# Altium PCB [01]-Robot.PcbDoc (part 2 of 2)
Units mm, origin at the board's own origin, x right, y up, seen from the top; angles counter-clockwise.
Board outline 107 x 100 mm, 2 copper layers (Top Layer, Bottom Layer), stack 1.57 mm thick; 156 components, 123 nets, 574 pads, 292 vias.
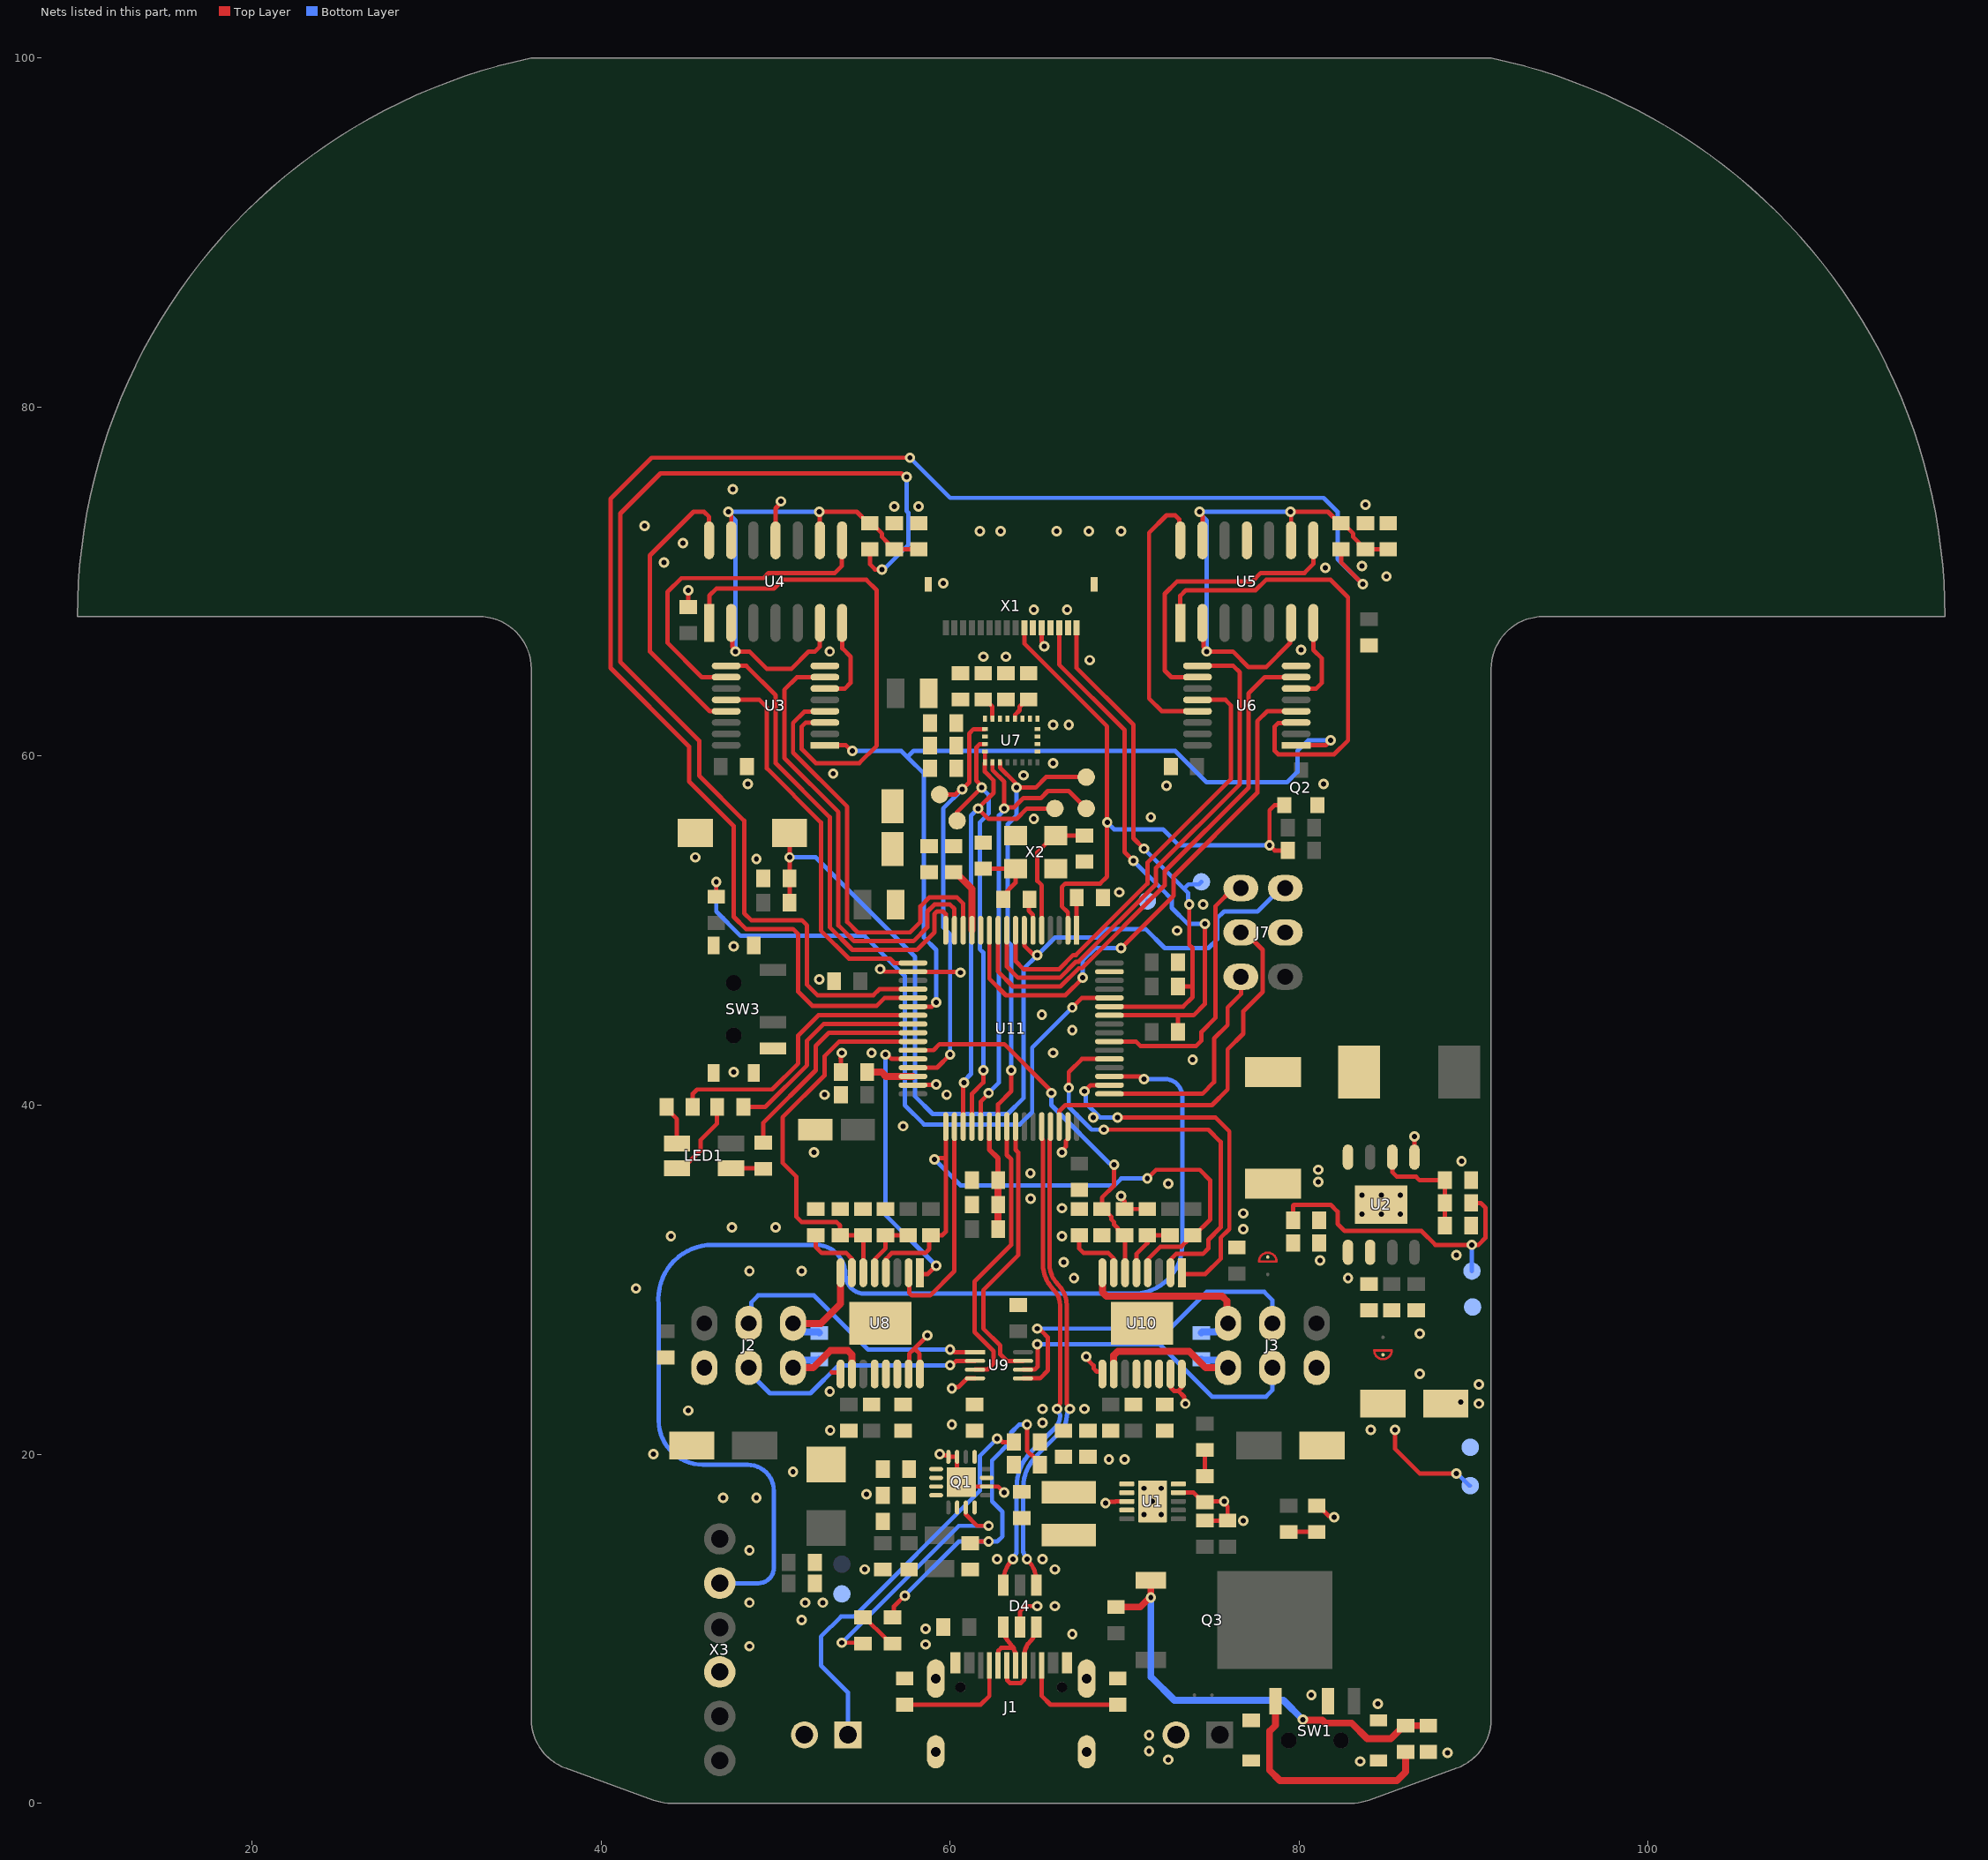
[diagram p2: the nets of this part, all layers, seen from the top]

## Via types
v1: diameter 0.6, hole 0.3, Top Layer to Bottom Layer, tented both sides, 291 vias
v2: diameter 0.6, hole 0.3, Top Layer to Bottom Layer, 1 vias

## Nets (pads, with @x,y where several pads share a name; then routed paths per layer and width w, separated by ;. In a path a pad name is that pad's centre, name@x,y a point inside that pad or via, vN(x,y) a via of type N, cw(c..) or ccw(c..) an arc to the next point about the centre after c; other vN are vias at no path point) (continued)
BT_TX: U11.51 X3.5 | length 72.2
  Top Layer w0.25: U11.51@69.125,41.65 70.855,41.65 71.005,41.5 v1(71.1,41.5)
  Bottom Layer w0.25: X3.5@46.8,12.61 49.01,12.61 ccw(c49.01,13.5) 49.9,13.5 49.9,17.9 ccw(c48.4,17.9) 48.4,19.4 45.84,19.4 cw(c45.84,21.94) 43.3,21.94 43.3,28.56 ccw(c43.05,28.56) 43.299,28.584 cw(c46.394,28.89) 46.394,32 52.3,32 cw(c52.3,30.3) 54,30.3 ccw(c55.1,30.3) 55.1,29.2 70.5,29.2 ccw(c70.5,32) 73.3,32 73.3,40.5 ccw(c72.3,40.5) 72.3,41.5 v1(71.1,41.5)
DAC1_OUT: C25.2 R15.2 R17.2 U4.2 U4.6 U4.9 U4.13 | length 32.4
  Top Layer w0.25: v1(47.3,74) 47.3,73.905 47.46,73.745 U4.13@47.46,72.366 ; U4.2@47.46,67.634 47.524,67.57 47.524,66.271 47.7,66.095 v1(47.7,66) 48.5,66 49.5,65 50.9,65 51.9,66 52.264,66 52.54,66.276 U4.6@52.54,67.634 ; U4.9@52.54,72.366 52.54,73.96 v1(52.5,74) 54.65,74 55.3,73.35 R15.2@55.4,73.35 55.5,73.35 56.1,72.75 56.1,72.55 56.425,72.225 56.425,72.125 56.7,71.85 C25.2@56.8,71.85 R17.2@58.2,71.85
  Bottom Layer w0.25: v1(47.7,66) 47.7,73.505 47.3,73.905 v1(47.3,74) v1(52.5,74)
DAC1_STH: R15.1 U11.20 | length 64.7
  Top Layer w0.25: R15.1@55.4,71.85 55.4,71 55.7,70.7 v1(56.1,70.7) ; v1(57.5,76) 57.405,76 57.205,76.2 43.4,76.2 41.1,73.9 41.1,65.4 45.625,60.875 45.625,58.875 48.2,56.3 48.2,51 48.6,50.6 51.5,50.6 51.8,50.3 51.8,46.9 52.396,46.304 55.604,46.304 55.95,46.65 U11.20@57.875,46.65
  Bottom Layer w0.25: v1(56.1,70.7) 56.2,70.7 57.6,72.1 57.6,73.953 57.5,74.053 v1(57.5,76)
DAC2_OUT: C26.2 R16.2 R18.2 U5.2 U5.6 U5.9 U5.13 | length 32.1
  Top Layer w0.25: v1(74.3,74) 74.3,73.905 74.46,73.745 U5.13@74.46,72.366 ; U5.2@74.46,67.634 74.524,67.57 74.524,66.271 74.7,66.095 v1(74.7,66) 76.2,66 77.1,65.1 78.1,65.1 79.476,66.476 79.476,67.57 U5.6@79.54,67.634 ; U5.9@79.54,72.366 79.54,73.96 v1(79.5,74) 81.65,74 82.3,73.35 R16.2@82.4,73.35 82.5,73.35 83.1,72.75 83.1,72.55 83.425,72.225 83.425,72.125 83.7,71.85 R18.2@83.8,71.85 C26.2@85.1,71.85 C26.2@85.2,71.85
  Bottom Layer w0.25: v1(74.7,66) 74.7,73.505 74.3,73.905 v1(74.3,74) v1(79.5,74)
DAC2_STH: R16.1 U11.21 | length 92.6
  Top Layer w0.25: v1(57.7,77.1) 42.9,77.1 40.548,74.748 40.548,65.052 45.05,60.55 45.05,58.55 47.6,56 47.6,50.8 48.3,50.1 51,50.1 51.3,49.8 51.3,46.5 52.1,45.7 55.8,45.7 56.25,46.15 U11.21@57.875,46.15 ; R16.1@82.4,71.85 82.4,71.1 v1(83.65,69.85)
  Bottom Layer w0.25: v1(57.7,77.1) 60,74.8 81.4,74.8 82.2,74 82.2,71.3 v1(83.65,69.85)
DIR_M1: U8.2 U11.34 | length 12.6
  Top Layer w0.25: U8.2@57.625,30.325 57.65,30.3 57.65,29.25 57.8,29.1 58.854,29.1 60.25,30.496 U11.34@60.25,38.775
DIR_M2: U10.2 U11.53 | length 23.8
  Top Layer w0.25: v1(66.8,41) 66.8,41.9 67.55,42.65 U11.53@69.125,42.65 ; v1(68.8,38.6) 74.8,38.6 75.5,37.9 75.5,33 74.796,32.296 74.796,31.796 74.48,31.48 72.946,31.48 72.663,31.197 72.663,30.364 U10.2@72.625,30.325
  Bottom Layer w0.25: v1(66.8,41) 66.8,39.9 68.1,38.6 v1(68.8,38.6)
DOUT1: U3.3 U4.1 | length 28.5
  Top Layer w0.25: U4.1@46.19,67.634 46.2,67.644 46.2,69.2 46.6,69.6 49.9,69.6 50.4,70.1 55.2,70.1 55.8,69.5 55.8,60.6 54.8,59.6 52.3,59.6 51.5,60.4 51.5,61.7 51.725,61.925 U3.3@52.825,61.925
DOUT2: U3.6 U4.7 | length 5.2
  Top Layer w0.25: U3.6@52.825,63.875 53.975,63.875 54.3,64.2 54.3,65.7 53.828,66.172 53.828,67.616 U4.7@53.81,67.634
DOUT3: U3.10 U4.8 | length 19.2
  Top Layer w0.25: U3.10@47.175,64.525 45.775,64.525 43.8,66.5 43.8,69.4 44.6,70.2 49.3,70.2 49.6,70.5 53.4,70.5 53.8,70.9 53.8,72.356 U4.8@53.81,72.366
DOUT4: U3.13 U4.14 | length 17.2
  Top Layer w0.25: U4.14@46.19,72.366 46.19,73.71 45.9,74 45.3,74 42.8,71.5 42.8,66 46.225,62.575 U3.13@47.175,62.575
DOUT5: U5.1 U6.3 | length 27.5
  Top Layer w0.25: U5.1@73.19,67.634 73.19,69.19 73.5,69.5 77.5,69.5 78.1,70.1 81.8,70.1 82.8,69.1 82.8,60.9 82.004,60.104 78.796,60.104 78.6,60.3 78.6,61.7 78.8,61.9 79.8,61.9 U6.3@79.825,61.925
DOUT6: U5.7 U6.6 | length 5.2
  Top Layer w0.25: U6.6@79.825,63.875 80.975,63.875 81.3,64.2 81.3,65.6 80.81,66.09 U5.7@80.81,67.634
DOUT7: U5.8 U6.10 | length 17
  Top Layer w0.25: U6.10@74.175,64.525 72.675,64.525 72.3,64.9 72.3,69.3 73,70 77.3,70 77.8,70.5 80.3,70.5 80.81,71.01 U5.8@80.81,72.366
DOUT8: U5.14 U6.13 | length 16
  Top Layer w0.25: U5.14@73.19,72.366 73.126,72.43 73.126,73.574 72.9,73.8 72.4,73.8 71.4,72.8 71.4,63.3 72.125,62.575 U6.13@74.175,62.575
EN_M1: U8.1 U11.28 | length 16.1
  Top Layer w0.25: v1(56.3,42.9) 56.395,42.9 56.645,42.65 U11.28@57.875,42.65 ; U8.1@58.275,30.325 58.725,30.325 v1(59.2,30.8)
  Bottom Layer w0.25: v1(56.3,42.9) 56.3,33.7 v1(59.2,30.8)
EN_M2: U10.1 U11.50 | length 21.3
  Top Layer w0.25: v1(67.7,40.8) 68.05,41.15 U11.50@69.125,41.15 ; v1(69.6,39.3) 75.2,39.3 76,38.5 76,32.9 75.5,32.4 75.5,31.2 74.625,30.325 U10.1@73.275,30.325
  Bottom Layer w0.25: v1(67.7,40.8) 67.767,40.733 67.767,40.133 68.6,39.3 v1(69.6,39.3)
  other v1: 68.2,39.3
GND: C1.2 C2.1 C3.1 C4.1 C5.1 C7.1 C8.1 C9.1 C10.1 C12.1 C13.1 C15.1 C16.1 C17.1 C18.1 C19.1 C20.1 C21.1 C22.1 C23.1 C24.1 C25.1 C26.1 C27.1 C28.1 C29.1 C30.1 C31.1 C32.1 C33.1 C35.2 C36.1 C37.1 C40.1 C42.2 C43.1 C44.1 C47.1 C48.1 C49.1 C50.2 C51.1 C52.1 C53.1 C54.1 C55.2 C56.1 C57.1 C58.1 C59.1 C60.1 C61.1 C62.1 C63.1 D4.2 J1.A1B12 J1.B1A12 J1.SH J2.6 J3.2 J5.2 J6.2 J7.3 Q1.6 Q1.11 Q1.12 Q1.17 Q2.2 R1.1 R3.1 R4.1 R5.1 R6.1 R7.1 R10.1 R11.1 R12.1 R17.1 R18.1 R24.1 R27.1 R28.1 R32.1 R33.1 R34.1 R39.1 SW1.2 SW1.4 SW1.5 SW1.6 SW1.7 SW2.2 SW3.3 SW3.4 SW3.5 SW3.6 SW3.7 TP4.1 TP5.1 TP13.1 U1.3 U1.9 U1.11 U2.1 U2.5 U2.9 U3.8 U4.11 U5.11 U6.8 U7.14 U7.15 U7.16 U7.17 U7.18 U7.19 U7.20 U8.9 U8.15 U8.16 U8.17 U9.4 U10.9 U10.15 U10.16 U10.17 U11.12 U11.18 U11.31 U11.47 U11.63 X1.2 X1.4 X1.5 X1.6 X1.17 X1.18 X2.2 X2.4 X3.3 | length 42.9
  Top Layer w0.25: C21.1@45,68.55 v1(45,69.5) ; U4.11@50,72.366 50,74.205 50.3,74.505 v1(50.3,74.6) ; 53.2,24.7 53.225,24.675 U8.9@53.725,24.675 ; C59.1@53.75,41.9 53.75,42.65 53.704,42.696 53.733,42.726 53.733,42.933 v1(53.8,43) ; v1(56,47.8) 56.095,47.8 56.245,47.65 U11.18@57.875,47.65 57.884,47.64 60.56,47.64 v1(60.6,47.6) ; U8.15@57.625,24.675 57.65,24.7 57.65,25.75 57.95,26.05 ; U11.31@57.875,41.15 57.884,41.16 59.16,41.16 v1(59.2,41.2) ; U8.16@58.275,24.675 58.25,24.7 58.25,25.75 57.95,26.05 ; v1(58.7,26.8) 57.95,26.05 ; v1(59.4,20) 59.467,19.933 59.9,19.933 Q1.12@59.9,19.85 Q1.11@60.4,19.85 60.4,18.65 Q1.17@60.65,18.4 60.9,18.15 Q1.6@62.1,18.15 62.75,18.15 v1(63.1,17.8) ; v1(60.1,23.775) 60.167,23.842 60.468,23.842 60.976,24.35 U9.4@61.424,24.35 ; D4.2@64,10.1 64,11 64.3,11.3 v1(65,11.3) ; X1.5@65.25,67.355 65.25,66.545 65.4,66.395 v1(65.4,66.3) ; v1(66.4,37.3) 66.4,37.395 66.628,37.623 66.628,37.951 66.75,38.072 U11.47@66.75,38.775 ; v1(67.8,25.6) 67.8,25.505 68.221,25.085 68.221,24.919 68.401,24.738 68.665,24.738 68.725,24.678 U10.9@68.725,24.675 ; v1(68.9,17.2) 68.967,17.267 69.467,17.267 69.5,17.3 U1.3@70.125,17.3 ; v1(69.8,34.8) 69.8,34.705 70,34.505 R34.1@70,34.05 R33.1@71.3,34.05 ; U10.15@72.625,24.675 72.65,24.65 72.65,23.806 72.828,23.628 73.072,23.628 ; U1.9@73.075,17.8 73.95,17.8 74.5,17.25 R1.1@74.6,17.25 74.65,17.3 v1(75.7,17.3) 75.7,17.205 75.9,17.005 C3.1@75.9,16.2 C2.1@74.6,16.2 ; U10.16@73.275,24.675 73.25,24.65 73.25,23.806 73.072,23.628 ; v1(73.475,22.9) 73.408,22.967 73.408,23.292 73.072,23.628 ; R3.1@81,17.05 81.1,17.05 81.683,16.467 81.933,16.467 v1(82,16.4) ; v1(86.6,38.2) 86.602,38.198 86.602,37.028 U2.5@86.605,37.025
  other v1: 83.5,2.4 72.5,2.5 88.5,2.9 71.4,3 71.4,3.9 84.5,5.7 80.7,6.2 48.5,9 58.6,9.1 67,9.7 58.6,10 51.5,10.5 66,11.3 48.5,11.5 51.7,11.5 52.7,11.5 55.1,13.4 66,13.4 62.7,14 65.3,14 48.5,14.5 76.8,16.2 71.1,16.55 72.1,16.55 71.6,17.3 47,17.5 48.9,17.5 55.2,17.7 71.1,18.05 72.1,18.05 51,19 43,20 53.125,21.375 60.1,21.7 65.3,21.8 45,22.5 65.3,22.6 67.7,22.6 90.3,22.9 89.25,23 53.1,23.6 90.3,24 86.9,24.6 86.9,26.9 42,29.5 67.1,30.1 82.8,30.1 48.5,30.5 51.5,30.5 66.5,31 81.2,31.1 89,31.4 44,32.5 66.4,32.5 76.8,32.9 47.5,33 50,33 83.6,33.75 84.7,33.75 85.8,33.75 76.8,33.8 66.4,34.1 64.614,34.644 83.6,34.85 84.7,34.85 85.8,34.85 72.5,35.5 81.1,35.6 64.6,36.1 81.1,36.3 89.3,36.8 52.2,37.3 57.3,38.8 52.8,40.6 59.8,40.6 47.6,41.9 73.9,42.6 55.5,43 65.9,43 67,44.3 65.258,45.176 52.5,47.2 47.6,49.1 73,50 74.5,51.5 69.7,52.2 48.9,54.1 45.4,54.2 64.8,56.4 71.5,56.5 72.4,58.3 48.4,58.4 81.4,58.4 64.2,58.9 53.3,59 65.9,59.6 65.9,61.8 66.8,61.8 68,65.5 61.9,65.7 63.2,65.7 53.1,66 80.1,66.1 64.8,68.4 66.7,68.4 59.6,69.9 85,70.3 81.5,70.8 83.6,70.9 43.6,71.1 44.7,72.2 61.7,72.9 62.9,72.9 66.1,72.9 67.95,72.9 69.8,72.9 42.5,73.2 56.8,74.3 58.2,74.3 83.8,74.4 47.542,75.293
LED_B: R43.1 U11.25 | length 12.7
  Top Layer w0.25: R43.1@49.3,37.85 49.3,39 52.3,42 52.3,43.4 53.05,44.15 U11.25@57.875,44.15
LED_G: R45.1 U11.24 | length 12.5
  Top Layer w0.25: R45.1@48.15,39.9 49.4,39.9 51.8,42.3 51.8,43.7 52.75,44.65 U11.24@57.875,44.65
LED_ON: Q2.1 R13.1 U11.2 X1.7 | length 36
  Top Layer w0.25: X1.7@64.25,67.355 64.25,66.45 68.996,61.704 68.996,53.096 68.6,52.7 66.6,52.7 66.4,52.5 66.4,51.4 66.75,51.05 U11.2@66.75,50.026 ; Q2.1@78.885,56.935 Q2.1@79.15,57.2 78.6,57.2 78.3,56.9 v1(78.3,54.9) 78.6,54.6 R13.1@79.35,54.6
  Bottom Layer w0.25: v1(69,56.2) 69.4,55.8 72.2,55.8 73.1,54.9 v1(78.3,54.9)
LED_R: R44.1 U11.23 | length 16.2
  Top Layer w0.25: R44.1@45.25,39.9 45.25,40.65 45.5,40.9 49.8,40.9 51.3,42.4 51.3,44 52.45,45.15 U11.23@57.875,45.15
M1_ADCI: C61.2 R28.2 U8.6 U11.26 | length 22.7
  Top Layer w0.25: U8.6@55.025,30.325 55.025,32.525 R28.2@55,32.55 C61.2@53.7,32.55 53.7,33.1 53.5,33.3 51.5,33.3 51.2,33.6 51.2,35.9 50.4,36.7 50.4,39.3 52.8,41.7 52.8,42.8 53.65,43.65 U11.26@57.875,43.65
M1_EA: J2.3 U9.1 | length 15.6
  Top Layer w0.25: v1(60,26) 60.095,26 60.245,25.85 U9.1@61.424,25.85
  Bottom Layer w0.25: J2.3@48.46,27.5 48.6,27.64 48.6,28.7 49,29.1 52.2,29.1 55.3,26 v1(60,26)
M1_EB: J2.4 U9.2 | length 14.5
  Top Layer w0.25: v1(60,25.1) 60.095,25.1 60.345,25.35 U9.2@61.424,25.35
  Bottom Layer w0.25: J2.4@48.46,24.96 48.46,24.71 49.67,23.5 52,23.5 53.6,25.1 v1(60,25.1)
M1_ENC: U9.3 U11.40 | length 16.2
  Top Layer w0.25: U9.3@61.424,24.85 61.431,24.857 62.157,24.857 62.5,25.2 62.5,25.9 61.4,27 61.4,29.9 63.5,32 63.5,36.9 63.25,37.15 U11.40@63.25,38.775
M1_OUT1: C38.2 J2.1 U8.8 | length 6.6
  Top Layer w0.4: J2.1@51,27.5 52.6,27.5 53.725,28.625 U8.8@53.725,30.325
  Bottom Layer w0.4: J2.1@51,27.5 51.46,27.04 51.66,27.04 51.7,27 52.45,27 C38.2@52.5,26.95
M1_OUT2: C38.1 J2.2 U8.10 | length 6.6
  Top Layer w0.4: J2.2@51,24.96 52.16,24.96 53.143,25.943 54.141,25.943 54.375,25.709 U8.10@54.375,24.675
  Bottom Layer w0.4: J2.2@51,24.96 51.44,25.4 52.45,25.4 C38.1@52.5,25.45
M2_ADCI: C62.2 R34.2 U10.6 U11.27 | length 22.2
  Top Layer w0.25: U11.27@57.875,43.15 59.05,43.15 59.4,43.5 63.1,43.5 65.625,40.975 65.625,40.97 65.8,40.795 v1(65.8,40.7) ; v1(69.4,36.6) 69.4,35.4 68.7,34.7 C62.2@68.7,34.05 68.8,34.05 69.248,33.602 69.248,33.452 69.4,33.3 69.4,33.15 69.625,32.925 69.625,32.825 69.9,32.55 R34.2@70,32.55 70.025,32.525 U10.6@70.025,30.325
  Bottom Layer w0.25: v1(65.8,40.7) 65.8,40 69.133,36.667 69.333,36.667 v1(69.4,36.6)
M2_EA: J3.3 U9.5 | length 20.2
  Top Layer w0.25: U9.5@64.176,24.35 65.15,24.35 65.6,24.8 65.6,26.7 65.275,27.025 65.27,27.025 65.095,27.2 v1(65,27.2)
  Bottom Layer w0.25: v1(65,27.2) 72.6,27.2 74.7,29.3 78,29.3 78.46,28.84 J3.3@78.46,27.5
M2_EB: J3.4 U9.6 | length 18.3
  Top Layer w0.25: U9.6@64.176,24.85 64.183,24.857 64.854,24.857 65.008,25.011 65.008,26.292 v1(65,26.3)
  Bottom Layer w0.25: v1(65,26.3) 72,26.3 75,23.3 78.1,23.3 78.46,23.66 J3.4@78.46,24.96
M2_ENC: U9.7 U11.41 | length 15.8
  Top Layer w0.25: U11.41@63.75,38.775 63.75,37.45 63.9,37.3 63.9,31.4 61.9,29.4 61.9,27.2 62.877,26.223 62.877,25.723 63.25,25.35 U9.7@64.176,25.35
M2_OUT1: C45.2 J3.5 U10.8 | length 11.4
  Top Layer w0.4: U10.8@68.725,30.325 68.725,29.291 68.959,29.057 75.586,29.057 75.852,28.791 75.852,27.568 J3.5@75.92,27.5
  Bottom Layer w0.4: C45.2@74.4,26.95 74.45,27 75.2,27 75.24,27.04 75.46,27.04 J3.5@75.92,27.5
M2_OUT2: C45.1 J3.6 U10.10 | length 9.7
  Top Layer w0.4: U10.10@69.375,24.675 69.375,25.666 69.609,25.9 73.7,25.9 74.64,24.96 J3.6@75.92,24.96
  Bottom Layer w0.4: C45.1@74.4,25.45 74.45,25.4 75.48,25.4 J3.6@75.92,24.96
MISO: TP6.1 U7.5 U7.6 U11.35 | length 27.3
  Top Layer w0.25: U11.35@60.75,38.775 60.75,41.25 v1(60.8,41.3) ; U7.6@61.985,59.6 61.985,59.115 62.038,59.062 62.5,58.6 62.5,57.9 v1(61.6,57) 62.2,56.4 63.8,56.4 64.4,57 TP6.1@66,57 ; U7.6@61.995,59.65 U7.5@61.995,60.255
  Bottom Layer w0.25: v1(60.8,41.3) 60.8,41.395 61.2,41.795 61.2,56.6 v1(61.6,57)
MOSI: TP7.1 U7.4 U11.36 | length 25.7
  Top Layer w0.25: TP7.1@60.4,56.2 60.4,56.8 v1(61.8,58.2) 61.8,58.295 61.5,58.595 61.5,60.5 61.675,60.675 61.985,60.675 U7.4@61.995,60.685 ; U11.36@61.25,38.775 61.25,40.65 61.9,41.3 v1(61.9,42)
  Bottom Layer w0.25: v1(61.8,58.2) 61.8,58.179 62.2,57.779 62.2,56.7 61.7,56.2 61.7,48.947 61.9,48.747 v1(61.9,42)
MOTOR_FAULT: R21.1 R30.1 U8.4 U10.4 U11.33 | length 36.8
  Top Layer w0.25: U8.4@56.325,30.325 56.325,31.2 56.65,31.525 58.575,31.525 58.8,31.75 58.8,32.45 R21.1@58.9,32.55 59.554,32.55 59.75,32.746 59.75,37 ; v1(59.1,36.9) 59.167,36.967 59.717,36.967 59.75,37 ; U11.33@59.75,38.775 59.75,37 ; v1(71.3,35.8) 71.8,36.3 74.3,36.3 74.9,35.7 74.9,33.45 74,32.55 73.8,32.55 73.525,32.275 73.525,32.175 73.248,31.898 72.048,31.898 71.325,31.175 71.325,30.325 U10.4@71.35,30.35
  Bottom Layer w0.25: v1(59.1,36.9) 60.6,35.4 69.4,35.4 69.8,35.8 v1(71.3,35.8)
NetC9_2: C9.2 C10.2 C11.2 D2.1 R2.2 SB2.1 TP2.1 | length 17.6
  Top Layer w0.25: C10.2@79.65,33.4 79.65,34.25 79.7,34.3 81.8,34.3 82.2,33.9 82.2,33.2 82.6,32.8 87,32.8 87.8,32 v1(89.9,32) 90.275,32 90.675,32.4 90.675,34.125 90.4,34.4 R2.2@89.85,34.4
  Bottom Layer w0.25: TP2.1@89.9,30.5 v1(89.9,32)
NetC11_1: C11.1 R2.1 R4.2 U2.6 | length 6.7
  Top Layer w0.25: U2.6@85.335,37.025 85.345,37.015 85.345,36.155 85.6,35.9 86.7,35.9 86.9,35.7 C11.1@88.35,35.7 R2.1@88.35,34.4 R4.2@88.35,33.1
NetC14_2: C14.2 Q1.15
NetC20_2: C20.2 Q1.16
NetC27_2: C27.2 U7.24 | length 1.4
  Top Layer w0.25: C27.2@61.9,63.25 62,63.25 62.423,62.827 62.423,62.152 U7.24@62.425,62.15
NetC28_2: C28.2 U7.21 | length 1.5
  Top Layer w0.25: U7.21@63.715,62.15 63.715,62.366 63.977,62.628 63.977,62.827 64.4,63.25 C28.2@64.5,63.25
NetC29_2: C29.2 C30.2 C31.2 C32.2 C33.2 FB2.2 U7.1 U7.3 U7.22 U7.23
NetC34_1: C34.1 U8.14
NetC34_2: C34.2 U8.13
NetC39_1: C39.1 U8.12
NetC41_1: C41.1 U10.14
NetC41_2: C41.2 U10.13
NetC46_1: C46.1 U10.12
NetC48_2: C48.2 R41.1 X2.1 | length 3.6
  Top Layer w0.25: C48.2@62.1,53.55 X2.1@63.75,53.55 63.75,52.75 63,52 R41.1@63,51.9
NetC49_2: C49.2 U11.5 X2.3 | length 7.7
  Top Layer w0.25: U11.5@65.25,50.025 65.25,52.6 65,52.85 65,54.5 65.95,55.45 X2.3@66.05,55.45 C49.2@67.7,55.45
NetC55_1: C55.1 C56.2 C57.2 FB3.2 U11.13 | length 3.8
  Top Layer w0.4: C56.2@60.2,53.35 60.3,53.35 61.25,52.4 U11.13@61.25,50.025
NetC58_2: C58.2 U11.1 | length 1.9
  Top Layer w0.25: U11.1@67.25,50.025 C58.2@67.25,51.9
NetC59_2: C59.2 U11.30 | length 2.7
  Top Layer w0.4: C59.2@55.25,41.9 56.075,41.9 56.325,41.65 U11.30@57.875,41.65
NetC63_2: C63.2 Q3.1 R20.1 R22.2 | length 25.4
  Top Layer w0.4: R20.1@69.5,11.25 70.896,11.25 71.446,11.8 v2(71.5,11.8) Q3.1@71.5,12.78 ; v1(80.2,4.8) 80.227,4.773 81.327,4.773 81.5,4.6 83,4.6 83.9,3.7 85.25,3.7 86,4.45 R22.2@86.1,4.45 C63.2@87.4,4.45
  Bottom Layer w0.4: v2(71.5,11.8) 71.5,7.25 72.85,5.9 79.1,5.9 v1(80.2,4.8)